# KiCad board demomatrix.kicad_pcb (continued)
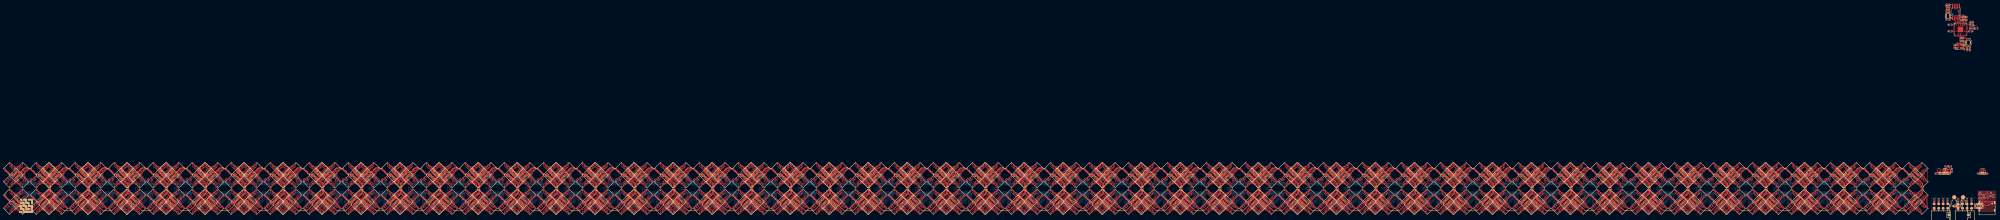
[diagram p0: board, top side]
## Routing (per net, layer and track width the routed paths; a pad name or vN(x,y) marks a point on that pad's centre or on a via; arc(x,y) is an arc through that point) (continued)
power_vbus-VCC: length 10.6
  Top w0.2: USB1.2 29.31,4.92 29.71,4.52 29.71,4.37 ; 33.71,4.37 33.71,4.52 34.11,4.92 USB1.11
  Top w0.5: USB1.2 29.31,6.77 28.6,7.48 F1.1 ; 29.71,4.37 30.71,3.37 32.71,3.37 33.71,4.37
rgbs[1]-anodes-anode-0: length 9.3
  Top w0.2: LED2.4 -1077.06,26.21 -1077.06,25.22 -1078.54,23.74 -1078.79,23.74 -1079.37,24.32 -1080.01,24.32 -1080.59,23.74 -1080.84,23.74 -1082.33,25.22 -1082.33,26.2 LED1.3
rgbs[1]-anodes-anode-1: length 12.6
  Top w0.2: LED2.2 -1076.21,27.06 -1076.21,25.49 -1078.37,23.34 -1078.95,23.34 -1079.53,23.92 -1079.84,23.92 -1080.43,23.34 -1081.01,23.34 -1083.17,25.5 -1083.17,27.06 LED1.1
rgbs[1]-anodes-anode-2: length 4
  Top w0.2: LED1.5 -1081.47,25.57 -1080.27,25.57 -1079.82,25.12 -1079.56,25.12 -1079.12,25.56 -1078.1,25.56 LED2.6
rgbs[1]-anodes-anode-3: length 1.7
  Top w0.2: LED1.7 -1080.42,24.72 -1078.96,24.72 LED2.8
rgbs[1]-anodes-anode-4: length 9.3
  Top w0.2: LED5.3 -1067.33,26.2 -1067.33,25.22 -1065.84,23.74 -1065.59,23.74 -1065.01,24.32 -1064.37,24.32 -1063.79,23.74 -1063.54,23.74 -1062.06,25.22 -1062.06,26.21 LED6.4
rgbs[1]-anodes-anode-5: length 12.6
  Top w0.2: LED6.2 -1061.21,27.06 -1061.21,25.49 -1063.37,23.34 -1063.95,23.34 -1064.53,23.92 -1064.84,23.92 -1065.43,23.34 -1066.01,23.34 -1068.17,25.5 -1068.17,27.06 LED5.1
rgbs[1]-anodes-anode-6: length 4
  Top w0.2: LED5.5 -1066.47,25.57 -1065.27,25.57 -1064.82,25.12 -1064.56,25.12 -1064.12,25.56 -1063.1,25.56 LED6.6
rgbs[1]-anodes-anode-7: length 1.7
  Top w0.2: LED5.7 -1065.42,24.72 -1063.96,24.72 LED6.8
rgbs[1]-anodes-anode-8: length 9.3
  Top w0.2: LED9.3 -1082.33,11.2 -1082.33,10.22 -1080.84,8.74 -1080.59,8.74 -1080.01,9.32 -1079.37,9.32 -1078.79,8.74 -1078.54,8.74 -1077.06,10.22 -1077.06,11.21 LED10.4
rgbs[1]-anodes-anode-9: length 12.6
  Top w0.2: LED10.2 -1076.21,12.06 -1076.21,10.49 -1078.37,8.34 -1078.95,8.34 -1079.53,8.92 -1079.84,8.92 -1080.43,8.34 -1081.01,8.34 -1083.17,10.5 -1083.17,12.06 LED9.1
rgbs[1]-anodes-anode-10: length 4
  Top w0.2: LED9.5 -1081.47,10.57 -1080.27,10.57 -1079.82,10.12 -1079.56,10.12 -1079.12,10.56 -1078.1,10.56 LED10.6
rgbs[1]-anodes-anode-11: length 1.7
  Top w0.2: LED10.8 -1078.96,9.72 -1080.42,9.72 LED9.7
rgbs[1]-anodes-anode-12: length 9.3
  Top w0.2: LED14.4 -1062.06,11.21 -1062.06,10.22 -1063.54,8.74 -1063.79,8.74 -1064.37,9.32 -1065.01,9.32 -1065.59,8.74 -1065.84,8.74 -1067.33,10.22 -1067.33,11.2 LED13.3
rgbs[1]-anodes-anode-13: length 12.6
  Top w0.2: LED13.1 -1068.17,12.06 -1068.17,10.5 -1066.01,8.34 -1065.43,8.34 -1064.84,8.92 -1064.53,8.92 -1063.95,8.34 -1063.37,8.34 -1061.21,10.49 -1061.21,12.06 LED14.2
rgbs[1]-anodes-anode-14: length 4
  Top w0.2: LED13.5 -1066.47,10.57 -1065.27,10.57 -1064.82,10.12 -1064.56,10.12 -1064.12,10.56 -1063.1,10.56 LED14.6
rgbs[1]-anodes-anode-15: length 1.7
  Top w0.2: LED14.8 -1063.96,9.72 -1065.42,9.72 LED13.7
rgbs[1]-anodes-anode-16: length 9.3
  Top w0.2: LED162.4 -1055.06,26.21 -1055.06,25.22 -1056.54,23.74 -1056.79,23.74 -1057.37,24.32 -1058.01,24.32 -1058.59,23.74 -1058.84,23.74 -1060.33,25.22 -1060.33,26.2 LED161.3
rgbs[1]-anodes-anode-17: length 12.6
  Top w0.2: LED161.1 -1061.17,27.06 -1061.17,25.5 -1059.01,23.34 -1058.43,23.34 -1057.84,23.92 -1057.53,23.92 -1056.95,23.34 -1056.37,23.34 -1054.21,25.49 -1054.21,27.06 LED162.2
rgbs[1]-anodes-anode-18: length 4
  Top w0.2: LED161.5 -1059.47,25.57 -1058.27,25.57 -1057.82,25.12 -1057.56,25.12 -1057.12,25.56 -1056.1,25.56 LED162.6
rgbs[1]-anodes-anode-19: length 1.7
  Top w0.2: LED162.8 -1056.96,24.72 -1058.42,24.72 LED161.7
rgbs[1]-anodes-anode-20: length 9.3
  Top w0.2: LED166.4 -1040.06,26.21 -1040.06,25.22 -1041.54,23.74 -1041.79,23.74 -1042.37,24.32 -1043.01,24.32 -1043.59,23.74 -1043.84,23.74 -1045.33,25.22 -1045.33,26.2 LED165.3
rgbs[1]-anodes-anode-21: length 12.6
  Top w0.2: LED166.2 -1039.21,27.06 -1039.21,25.49 -1041.37,23.34 -1041.95,23.34 -1042.53,23.92 -1042.84,23.92 -1043.43,23.34 -1044.01,23.34 -1046.17,25.5 -1046.17,27.06 LED165.1
rgbs[1]-anodes-anode-22: length 4
  Top w0.2: LED166.6 -1041.1,25.56 -1042.12,25.56 -1042.56,25.12 -1042.82,25.12 -1043.27,25.57 -1044.47,25.57 LED165.5
rgbs[1]-anodes-anode-23: length 1.7
  Top w0.2: LED166.8 -1041.96,24.72 -1043.42,24.72 LED165.7
rgbs[1]-anodes-anode-24: length 9.3
  Top w0.2: LED169.3 -1060.33,11.2 -1060.33,10.22 -1058.84,8.74 -1058.59,8.74 -1058.01,9.32 -1057.37,9.32 -1056.79,8.74 -1056.54,8.74 -1055.06,10.22 -1055.06,11.21 LED170.4
rgbs[1]-anodes-anode-25: length 12.6
  Top w0.2: LED170.2 -1054.21,12.06 -1054.21,10.49 -1056.37,8.34 -1056.95,8.34 -1057.53,8.92 -1057.84,8.92 -1058.43,8.34 -1059.01,8.34 -1061.17,10.5 -1061.17,12.06 LED169.1
rgbs[1]-anodes-anode-26: length 4
  Top w0.2: LED170.6 -1056.1,10.56 -1057.12,10.56 -1057.56,10.12 -1057.82,10.12 -1058.27,10.57 -1059.47,10.57 LED169.5
rgbs[1]-anodes-anode-27: length 1.7
  Top w0.2: LED170.8 -1056.96,9.72 -1058.42,9.72 LED169.7
rgbs[1]-anodes-anode-28: length 9.3
  Top w0.2: LED173.3 -1045.33,11.2 -1045.33,10.22 -1043.84,8.74 -1043.59,8.74 -1043.01,9.32 -1042.37,9.32 -1041.79,8.74 -1041.54,8.74 -1040.06,10.22 -1040.06,11.21 LED174.4
rgbs[1]-anodes-anode-29: length 12.6
  Top w0.2: LED173.1 -1046.17,12.06 -1046.17,10.5 -1044.01,8.34 -1043.43,8.34 -1042.84,8.92 -1042.53,8.92 -1041.95,8.34 -1041.37,8.34 -1039.21,10.49 -1039.21,12.06 LED174.2
rgbs[1]-anodes-anode-30: length 4
  Top w0.2: LED174.6 -1041.1,10.56 -1042.12,10.56 -1042.56,10.12 -1042.82,10.12 -1043.27,10.57 -1044.47,10.57 LED173.5
rgbs[1]-anodes-anode-31: length 1.7
  Top w0.2: LED174.8 -1041.96,9.72 -1043.42,9.72 LED173.7
rgbs[1]-anodes-anode-32: length 9.3
  Top w0.2: LED178.4 -1033.06,26.21 -1033.06,25.22 -1034.54,23.74 -1034.79,23.74 -1035.37,24.32 -1036.01,24.32 -1036.59,23.74 -1036.84,23.74 -1038.33,25.22 -1038.33,26.2 LED177.3
rgbs[1]-anodes-anode-33: length 12.6
  Top w0.2: LED177.1 -1039.17,27.06 -1039.17,25.5 -1037.01,23.34 -1036.43,23.34 -1035.84,23.92 -1035.53,23.92 -1034.95,23.34 -1034.37,23.34 -1032.21,25.49 -1032.21,27.06 LED178.2
rgbs[1]-anodes-anode-34: length 4
  Top w0.2: LED178.6 -1034.1,25.56 -1035.12,25.56 -1035.56,25.12 -1035.82,25.12 -1036.27,25.57 -1037.47,25.57 LED177.5
rgbs[1]-anodes-anode-35: length 1.7
  Top w0.2: LED177.7 -1036.42,24.72 -1034.96,24.72 LED178.8
rgbs[1]-anodes-anode-36: length 9.3
  Top w0.2: LED182.4 -1018.06,26.21 -1018.06,25.22 -1019.54,23.74 -1019.79,23.74 -1020.37,24.32 -1021.01,24.32 -1021.59,23.74 -1021.84,23.74 -1023.33,25.22 -1023.33,26.2 LED181.3
rgbs[1]-anodes-anode-37: length 12.6
  Top w0.2: LED181.1 -1024.17,27.06 -1024.17,25.5 -1022.01,23.34 -1021.43,23.34 -1020.84,23.92 -1020.53,23.92 -1019.95,23.34 -1019.37,23.34 -1017.21,25.49 -1017.21,27.06 LED182.2
rgbs[1]-anodes-anode-38: length 4
  Top w0.2: LED181.5 -1022.47,25.57 -1021.27,25.57 -1020.82,25.12 -1020.56,25.12 -1020.12,25.56 -1019.1,25.56 LED182.6
rgbs[1]-anodes-anode-39: length 1.7
  Top w0.2: LED181.7 -1021.42,24.72 -1019.96,24.72 LED182.8
rgbs[1]-anodes-anode-40: length 9.3
  Top w0.2: LED186.4 -1033.06,11.21 -1033.06,10.22 -1034.54,8.74 -1034.79,8.74 -1035.37,9.32 -1036.01,9.32 -1036.59,8.74 -1036.84,8.74 -1038.33,10.22 -1038.33,11.2 LED185.3
rgbs[1]-anodes-anode-41: length 12.6
  Top w0.2: LED185.1 -1039.17,12.06 -1039.17,10.5 -1037.01,8.34 -1036.43,8.34 -1035.84,8.92 -1035.53,8.92 -1034.95,8.34 -1034.37,8.34 -1032.21,10.49 -1032.21,12.06 LED186.2
rgbs[1]-anodes-anode-42: length 4
  Top w0.2: LED186.6 -1034.1,10.56 -1035.12,10.56 -1035.56,10.12 -1035.82,10.12 -1036.27,10.57 -1037.47,10.57 LED185.5
rgbs[1]-anodes-anode-43: length 1.7
  Top w0.2: LED186.8 -1034.96,9.72 -1036.42,9.72 LED185.7
rgbs[1]-anodes-anode-44: length 9.3
  Top w0.2: LED189.3 -1023.33,11.2 -1023.33,10.22 -1021.84,8.74 -1021.59,8.74 -1021.01,9.32 -1020.37,9.32 -1019.79,8.74 -1019.54,8.74 -1018.06,10.22 -1018.06,11.21 LED190.4
rgbs[1]-anodes-anode-45: length 12.6
  Top w0.2: LED190.2 -1017.21,12.06 -1017.21,10.49 -1019.37,8.34 -1019.95,8.34 -1020.53,8.92 -1020.84,8.92 -1021.43,8.34 -1022.01,8.34 -1024.17,10.5 -1024.17,12.06 LED189.1
rgbs[1]-anodes-anode-46: length 4
  Top w0.2: LED190.6 -1019.1,10.56 -1020.12,10.56 -1020.56,10.12 -1020.82,10.12 -1021.27,10.57 -1022.47,10.57 LED189.5
rgbs[1]-anodes-anode-47: length 1.7
  Top w0.2: LED190.8 -1019.96,9.72 -1021.42,9.72 LED189.7
rgbs[1]-anodes-anode-48: length 9.3
  Top w0.2: LED193.3 -1016.33,26.2 -1016.33,25.22 -1014.84,23.74 -1014.59,23.74 -1014.01,24.32 -1013.37,24.32 -1012.79,23.74 -1012.54,23.74 -1011.06,25.22 -1011.06,26.21 LED194.4
rgbs[1]-anodes-anode-49: length 12.6
  Top w0.2: LED194.2 -1010.21,27.06 -1010.21,25.49 -1012.37,23.34 -1012.95,23.34 -1013.53,23.92 -1013.84,23.92 -1014.43,23.34 -1015.01,23.34 -1017.17,25.5 -1017.17,27.06 LED193.1
rgbs[1]-anodes-anode-50: length 4
  Top w0.2: LED194.6 -1012.1,25.56 -1013.12,25.56 -1013.56,25.12 -1013.82,25.12 -1014.27,25.57 -1015.47,25.57 LED193.5
rgbs[1]-anodes-anode-51: length 1.7
  Top w0.2: LED193.7 -1014.42,24.72 -1012.96,24.72 LED194.8
rgbs[1]-anodes-anode-52: length 9.3
  Top w0.2: LED198.4 -996.06,26.21 -996.06,25.22 -997.54,23.74 -997.79,23.74 -998.37,24.32 -999.01,24.32 -999.59,23.74 -999.84,23.74 -1001.33,25.22 -1001.33,26.2 LED197.3
rgbs[1]-anodes-anode-53: length 12.6
  Top w0.2: LED198.2 -995.21,27.06 -995.21,25.49 -997.37,23.34 -997.95,23.34 -998.53,23.92 -998.84,23.92 -999.43,23.34 -1000.01,23.34 -1002.17,25.5 -1002.17,27.06 LED197.1
rgbs[1]-anodes-anode-54: length 4
  Top w0.2: LED198.6 -997.1,25.56 -998.12,25.56 -998.56,25.12 -998.82,25.12 -999.27,25.57 -1000.47,25.57 LED197.5
rgbs[1]-anodes-anode-55: length 1.7
  Top w0.2: LED198.8 -997.96,24.72 -999.42,24.72 LED197.7
rgbs[1]-anodes-anode-56: length 9.3
  Top w0.2: LED201.3 -1016.33,11.2 -1016.33,10.22 -1014.84,8.74 -1014.59,8.74 -1014.01,9.32 -1013.37,9.32 -1012.79,8.74 -1012.54,8.74 -1011.06,10.22 -1011.06,11.21 LED202.4
rgbs[1]-anodes-anode-57: length 12.6
  Top w0.2: LED201.1 -1017.17,12.06 -1017.17,10.5 -1015.01,8.34 -1014.43,8.34 -1013.84,8.92 -1013.53,8.92 -1012.95,8.34 -1012.37,8.34 -1010.21,10.49 -1010.21,12.06 LED202.2
rgbs[1]-anodes-anode-58: length 4
  Top w0.2: LED202.6 -1012.1,10.56 -1013.12,10.56 -1013.56,10.12 -1013.82,10.12 -1014.27,10.57 -1015.47,10.57 LED201.5
rgbs[1]-anodes-anode-59: length 1.7
  Top w0.2: LED202.8 -1012.96,9.72 -1014.42,9.72 LED201.7
rgbs[1]-anodes-anode-60: length 9.3
  Top w0.2: LED205.3 -1001.33,11.2 -1001.33,10.22 -999.84,8.74 -999.59,8.74 -999.01,9.32 -998.37,9.32 -997.79,8.74 -997.54,8.74 -996.06,10.22 -996.06,11.21 LED206.4
rgbs[1]-anodes-anode-61: length 12.6
  Top w0.2: LED206.2 -995.21,12.06 -995.21,10.49 -997.37,8.34 -997.95,8.34 -998.53,8.92 -998.84,8.92 -999.43,8.34 -1000.01,8.34 -1002.17,10.5 -1002.17,12.06 LED205.1
rgbs[1]-anodes-anode-62: length 4
  Top w0.2: LED206.6 -997.1,10.56 -998.12,10.56 -998.56,10.12 -998.82,10.12 -999.27,10.57 -1000.47,10.57 LED205.5
rgbs[1]-anodes-anode-63: length 1.7
  Top w0.2: LED205.7 -999.42,9.72 -997.96,9.72 LED206.8
rgbs[1]-anodes-anode-64: length 9.3
  Top w0.2: LED210.4 -989.06,26.21 -989.06,25.22 -990.54,23.74 -990.79,23.74 -991.37,24.32 -992.01,24.32 -992.59,23.74 -992.84,23.74 -994.33,25.22 -994.33,26.2 LED209.3
rgbs[1]-anodes-anode-65: length 12.6
  Top w0.2: LED209.1 -995.17,27.06 -995.17,25.5 -993.01,23.34 -992.43,23.34 -991.84,23.92 -991.53,23.92 -990.95,23.34 -990.37,23.34 -988.21,25.49 -988.21,27.06 LED210.2
rgbs[1]-anodes-anode-66: length 4
  Top w0.2: LED210.6 -990.1,25.56 -991.12,25.56 -991.56,25.12 -991.82,25.12 -992.27,25.57 -993.47,25.57 LED209.5
rgbs[1]-anodes-anode-67: length 1.7
  Top w0.2: LED209.7 -992.42,24.72 -990.96,24.72 LED210.8
rgbs[1]-anodes-anode-68: length 9.3
  Top w0.2: LED213.3 -979.33,26.2 -979.33,25.22 -977.84,23.74 -977.59,23.74 -977.01,24.32 -976.37,24.32 -975.79,23.74 -975.54,23.74 -974.06,25.22 -974.06,26.21 LED214.4
rgbs[1]-anodes-anode-69: length 12.6
  Top w0.2: LED214.2 -973.21,27.06 -973.21,25.49 -975.37,23.34 -975.95,23.34 -976.53,23.92 -976.84,23.92 -977.43,23.34 -978.01,23.34 -980.17,25.5 -980.17,27.06 LED213.1
rgbs[1]-anodes-anode-70: length 4
  Top w0.2: LED213.5 -978.47,25.57 -977.27,25.57 -976.82,25.12 -976.56,25.12 -976.12,25.56 -975.1,25.56 LED214.6
rgbs[1]-anodes-anode-71: length 1.7
  Top w0.2: LED213.7 -977.42,24.72 -975.96,24.72 LED214.8
rgbs[1]-anodes-anode-72: length 9.3
  Top w0.2: LED217.3 -994.33,11.2 -994.33,10.22 -992.84,8.74 -992.59,8.74 -992.01,9.32 -991.37,9.32 -990.79,8.74 -990.54,8.74 -989.06,10.22 -989.06,11.21 LED218.4
rgbs[1]-anodes-anode-73: length 12.6
  Top w0.2: LED217.1 -995.17,12.06 -995.17,10.5 -993.01,8.34 -992.43,8.34 -991.84,8.92 -991.53,8.92 -990.95,8.34 -990.37,8.34 -988.21,10.49 -988.21,12.06 LED218.2
rgbs[1]-anodes-anode-74: length 4
  Top w0.2: LED218.6 -990.1,10.56 -991.12,10.56 -991.56,10.12 -991.82,10.12 -992.27,10.57 -993.47,10.57 LED217.5
rgbs[1]-anodes-anode-75: length 1.7
  Top w0.2: LED217.7 -992.42,9.72 -990.96,9.72 LED218.8
rgbs[1]-anodes-anode-76: length 9.3
  Top w0.2: LED221.3 -979.33,11.2 -979.33,10.22 -977.84,8.74 -977.59,8.74 -977.01,9.32 -976.37,9.32 -975.79,8.74 -975.54,8.74 -974.06,10.22 -974.06,11.21 LED222.4
rgbs[1]-anodes-anode-77: length 12.6
  Top w0.2: LED222.2 -973.21,12.06 -973.21,10.49 -975.37,8.34 -975.95,8.34 -976.53,8.92 -976.84,8.92 -977.43,8.34 -978.01,8.34 -980.17,10.5 -980.17,12.06 LED221.1
rgbs[1]-anodes-anode-78: length 4
  Top w0.2: LED221.5 -978.47,10.57 -977.27,10.57 -976.82,10.12 -976.56,10.12 -976.12,10.56 -975.1,10.56 LED222.6
rgbs[1]-anodes-anode-79: length 1.7
  Top w0.2: LED221.7 -977.42,9.72 -975.96,9.72 LED222.8
rgbs[1]-anodes-anode-80: length 9.3
  Top w0.2: LED225.3 -972.33,26.2 -972.33,25.22 -970.84,23.74 -970.59,23.74 -970.01,24.32 -969.37,24.32 -968.79,23.74 -968.54,23.74 -967.06,25.22 -967.06,26.21 LED226.4
rgbs[1]-anodes-anode-81: length 12.6
  Top w0.2: LED226.2 -966.21,27.06 -966.21,25.49 -968.37,23.34 -968.95,23.34 -969.53,23.92 -969.84,23.92 -970.43,23.34 -971.01,23.34 -973.17,25.5 -973.17,27.06 LED225.1
rgbs[1]-anodes-anode-82: length 4
  Top w0.2: LED225.5 -971.47,25.57 -970.27,25.57 -969.82,25.12 -969.56,25.12 -969.12,25.56 -968.1,25.56 LED226.6
rgbs[1]-anodes-anode-83: length 1.7
  Top w0.2: LED225.7 -970.42,24.72 -968.96,24.72 LED226.8
rgbs[1]-anodes-anode-84: length 9.3
  Top w0.2: LED230.4 -952.06,26.21 -952.06,25.22 -953.54,23.74 -953.79,23.74 -954.37,24.32 -955.01,24.32 -955.59,23.74 -955.84,23.74 -957.33,25.22 -957.33,26.2 LED229.3
rgbs[1]-anodes-anode-85: length 12.6
  Top w0.2: LED229.1 -958.17,27.06 -958.17,25.5 -956.01,23.34 -955.43,23.34 -954.84,23.92 -954.53,23.92 -953.95,23.34 -953.37,23.34 -951.21,25.49 -951.21,27.06 LED230.2
rgbs[1]-anodes-anode-86: length 4
  Top w0.2: LED230.6 -953.1,25.56 -954.12,25.56 -954.56,25.12 -954.82,25.12 -955.27,25.57 -956.47,25.57 LED229.5
rgbs[1]-anodes-anode-87: length 1.7
  Top w0.2: LED229.7 -955.42,24.72 -953.96,24.72 LED230.8
rgbs[1]-anodes-anode-88: length 9.3
  Top w0.2: LED234.4 -967.06,11.21 -967.06,10.22 -968.54,8.74 -968.79,8.74 -969.37,9.32 -970.01,9.32 -970.59,8.74 -970.84,8.74 -972.33,10.22 -972.33,11.2 LED233.3
rgbs[1]-anodes-anode-89: length 12.6
  Top w0.2: LED234.2 -966.21,12.06 -966.21,10.49 -968.37,8.34 -968.95,8.34 -969.53,8.92 -969.84,8.92 -970.43,8.34 -971.01,8.34 -973.17,10.5 -973.17,12.06 LED233.1
rgbs[1]-anodes-anode-90: length 4
  Top w0.2: LED234.6 -968.1,10.56 -969.12,10.56 -969.56,10.12 -969.82,10.12 -970.27,10.57 -971.47,10.57 LED233.5
rgbs[1]-anodes-anode-91: length 1.7
  Top w0.2: LED234.8 -968.96,9.72 -970.42,9.72 LED233.7
rgbs[1]-anodes-anode-92: length 9.3
  Top w0.2: LED238.4 -952.06,11.21 -952.06,10.22 -953.54,8.74 -953.79,8.74 -954.37,9.32 -955.01,9.32 -955.59,8.74 -955.84,8.74 -957.33,10.22 -957.33,11.2 LED237.3
rgbs[1]-anodes-anode-93: length 12.6
  Top w0.2: LED238.2 -951.21,12.06 -951.21,10.49 -953.37,8.34 -953.95,8.34 -954.53,8.92 -954.84,8.92 -955.43,8.34 -956.01,8.34 -958.17,10.5 -958.17,12.06 LED237.1
rgbs[1]-anodes-anode-94: length 4
  Top w0.2: LED237.5 -956.47,10.57 -955.27,10.57 -954.82,10.12 -954.56,10.12 -954.12,10.56 -953.1,10.56 LED238.6
rgbs[1]-anodes-anode-95: length 1.7
  Top w0.2: LED238.8 -953.96,9.72 -955.42,9.72 LED237.7
rgbs[1]-anodes-anode-96: length 9.3
  Top w0.2: LED242.4 -945.06,26.21 -945.06,25.22 -946.54,23.74 -946.79,23.74 -947.37,24.32 -948.01,24.32 -948.59,23.74 -948.84,23.74 -950.33,25.22 -950.33,26.2 LED241.3
rgbs[1]-anodes-anode-97: length 12.6
  Top w0.2: LED241.1 -951.17,27.06 -951.17,25.5 -949.01,23.34 -948.43,23.34 -947.84,23.92 -947.53,23.92 -946.95,23.34 -946.37,23.34 -944.21,25.49 -944.21,27.06 LED242.2
rgbs[1]-anodes-anode-98: length 4
  Top w0.2: LED242.6 -946.1,25.56 -947.12,25.56 -947.56,25.12 -947.82,25.12 -948.27,25.57 -949.47,25.57 LED241.5
rgbs[1]-anodes-anode-99: length 1.7
  Top w0.2: LED242.8 -946.96,24.72 -948.42,24.72 LED241.7
rgbs[1]-anodes-anode-100: length 9.3
  Top w0.2: LED245.3 -935.33,26.2 -935.33,25.22 -933.84,23.74 -933.59,23.74 -933.01,24.32 -932.37,24.32 -931.79,23.74 -931.54,23.74 -930.06,25.22 -930.06,26.21 LED246.4
rgbs[1]-anodes-anode-101: length 12.6
  Top w0.2: LED245.1 -936.17,27.06 -936.17,25.5 -934.01,23.34 -933.43,23.34 -932.84,23.92 -932.53,23.92 -931.95,23.34 -931.37,23.34 -929.21,25.49 -929.21,27.06 LED246.2
rgbs[1]-anodes-anode-102: length 4
  Top w0.2: LED245.5 -934.47,25.57 -933.27,25.57 -932.82,25.12 -932.56,25.12 -932.12,25.56 -931.1,25.56 LED246.6
rgbs[1]-anodes-anode-103: length 1.7
  Top w0.2: LED246.8 -931.96,24.72 -933.42,24.72 LED245.7
rgbs[1]-anodes-anode-104: length 9.3
  Top w0.2: LED250.4 -945.06,11.21 -945.06,10.22 -946.54,8.74 -946.79,8.74 -947.37,9.32 -948.01,9.32 -948.59,8.74 -948.84,8.74 -950.33,10.22 -950.33,11.2 LED249.3
rgbs[1]-anodes-anode-105: length 12.6
  Top w0.2: LED250.2 -944.21,12.06 -944.21,10.49 -946.37,8.34 -946.95,8.34 -947.53,8.92 -947.84,8.92 -948.43,8.34 -949.01,8.34 -951.17,10.5 -951.17,12.06 LED249.1
rgbs[1]-anodes-anode-106: length 4
  Top w0.2: LED250.6 -946.1,10.56 -947.12,10.56 -947.56,10.12 -947.82,10.12 -948.27,10.57 -949.47,10.57 LED249.5
rgbs[1]-anodes-anode-107: length 1.7
  Top w0.2: LED249.7 -948.42,9.72 -946.96,9.72 LED250.8
rgbs[1]-anodes-anode-108: length 9.3
  Top w0.2: LED253.3 -935.33,11.2 -935.33,10.22 -933.84,8.74 -933.59,8.74 -933.01,9.32 -932.37,9.32 -931.79,8.74 -931.54,8.74 -930.06,10.22 -930.06,11.21 LED254.4
rgbs[1]-anodes-anode-109: length 12.6
  Top w0.2: LED253.1 -936.17,12.06 -936.17,10.5 -934.01,8.34 -933.43,8.34 -932.84,8.92 -932.53,8.92 -931.95,8.34 -931.37,8.34 -929.21,10.49 -929.21,12.06 LED254.2
rgbs[1]-anodes-anode-110: length 4
  Top w0.2: LED253.5 -934.47,10.57 -933.27,10.57 -932.82,10.12 -932.56,10.12 -932.12,10.56 -931.1,10.56 LED254.6
rgbs[1]-anodes-anode-111: length 1.7
  Top w0.2: LED254.8 -931.96,9.72 -933.42,9.72 LED253.7
rgbs[1]-anodes-anode-112: length 9.3
  Top w0.2: LED258.4 -923.06,26.21 -923.06,25.22 -924.54,23.74 -924.79,23.74 -925.37,24.32 -926.01,24.32 -926.59,23.74 -926.84,23.74 -928.33,25.22 -928.33,26.2 LED257.3
rgbs[1]-anodes-anode-113: length 12.6
  Top w0.2: LED257.1 -929.17,27.06 -929.17,25.5 -927.01,23.34 -926.43,23.34 -925.84,23.92 -925.53,23.92 -924.95,23.34 -924.37,23.34 -922.21,25.49 -922.21,27.06 LED258.2
rgbs[1]-anodes-anode-114: length 4
  Top w0.2: LED257.5 -927.47,25.57 -926.27,25.57 -925.82,25.12 -925.56,25.12 -925.12,25.56 -924.1,25.56 LED258.6
rgbs[1]-anodes-anode-115: length 1.7
  Top w0.2: LED257.7 -926.42,24.72 -924.96,24.72 LED258.8
rgbs[1]-anodes-anode-116: length 9.3
  Top w0.2: LED262.4 -908.06,26.21 -908.06,25.22 -909.54,23.74 -909.79,23.74 -910.37,24.32 -911.01,24.32 -911.59,23.74 -911.84,23.74 -913.33,25.22 -913.33,26.2 LED261.3
rgbs[1]-anodes-anode-117: length 12.6
  Top w0.2: LED262.2 -907.21,27.06 -907.21,25.49 -909.37,23.34 -909.95,23.34 -910.53,23.92 -910.84,23.92 -911.43,23.34 -912.01,23.34 -914.17,25.5 -914.17,27.06 LED261.1
rgbs[1]-anodes-anode-118: length 4
  Top w0.2: LED262.6 -909.1,25.56 -910.12,25.56 -910.56,25.12 -910.82,25.12 -911.27,25.57 -912.47,25.57 LED261.5
rgbs[1]-anodes-anode-119: length 1.7
  Top w0.2: LED261.7 -911.42,24.72 -909.96,24.72 LED262.8
rgbs[1]-anodes-anode-120: length 9.3
  Top w0.2: LED265.3 -928.33,11.2 -928.33,10.22 -926.84,8.74 -926.59,8.74 -926.01,9.32 -925.37,9.32 -924.79,8.74 -924.54,8.74 -923.06,10.22 -923.06,11.21 LED266.4
rgbs[1]-anodes-anode-121: length 12.6
  Top w0.2: LED266.2 -922.21,12.06 -922.21,10.49 -924.37,8.34 -924.95,8.34 -925.53,8.92 -925.84,8.92 -926.43,8.34 -927.01,8.34 -929.17,10.5 -929.17,12.06 LED265.1
rgbs[1]-anodes-anode-122: length 4
  Top w0.2: LED266.6 -924.1,10.56 -925.12,10.56 -925.56,10.12 -925.82,10.12 -926.27,10.57 -927.47,10.57 LED265.5
rgbs[1]-anodes-anode-123: length 1.7
  Top w0.2: LED265.7 -926.42,9.72 -924.96,9.72 LED266.8
rgbs[1]-anodes-anode-124: length 9.3
  Top w0.2: LED269.3 -913.33,11.2 -913.33,10.22 -911.84,8.74 -911.59,8.74 -911.01,9.32 -910.37,9.32 -909.79,8.74 -909.54,8.74 -908.06,10.22 -908.06,11.21 LED270.4
rgbs[1]-anodes-anode-125: length 12.6
  Top w0.2: LED269.1 -914.17,12.06 -914.17,10.5 -912.01,8.34 -911.43,8.34 -910.84,8.92 -910.53,8.92 -909.95,8.34 -909.37,8.34 -907.21,10.49 -907.21,12.06 LED270.2
rgbs[1]-anodes-anode-126: length 4
  Top w0.2: LED269.5 -912.47,10.57 -911.27,10.57 -910.82,10.12 -910.56,10.12 -910.12,10.56 -909.1,10.56 LED270.6
rgbs[1]-anodes-anode-127: length 1.7
  Top w0.2: LED270.8 -909.96,9.72 -911.42,9.72 LED269.7
rgbs[1]-anodes-anode-128: length 9.3
  Top w0.2: LED273.3 -906.33,26.2 -906.33,25.22 -904.84,23.74 -904.59,23.74 -904.01,24.32 -903.37,24.32 -902.79,23.74 -902.54,23.74 -901.06,25.22 -901.06,26.21 LED274.4
rgbs[1]-anodes-anode-129: length 12.6
  Top w0.2: LED273.1 -907.17,27.06 -907.17,25.5 -905.01,23.34 -904.43,23.34 -903.84,23.92 -903.53,23.92 -902.95,23.34 -902.37,23.34 -900.21,25.49 -900.21,27.06 LED274.2
rgbs[1]-anodes-anode-130: length 4
  Top w0.2: LED273.5 -905.47,25.57 -904.27,25.57 -903.82,25.12 -903.56,25.12 -903.12,25.56 -902.1,25.56 LED274.6
rgbs[1]-anodes-anode-131: length 1.7
  Top w0.2: LED274.8 -902.96,24.72 -904.42,24.72 LED273.7
rgbs[1]-anodes-anode-132: length 9.3
  Top w0.2: LED278.4 -886.06,26.21 -886.06,25.22 -887.54,23.74 -887.79,23.74 -888.37,24.32 -889.01,24.32 -889.59,23.74 -889.84,23.74 -891.33,25.22 -891.33,26.2 LED277.3
rgbs[1]-anodes-anode-133: length 12.6
  Top w0.2: LED278.2 -885.21,27.06 -885.21,25.49 -887.37,23.34 -887.95,23.34 -888.53,23.92 -888.84,23.92 -889.43,23.34 -890.01,23.34 -892.17,25.5 -892.17,27.06 LED277.1
rgbs[1]-anodes-anode-134: length 4
  Top w0.2: LED278.6 -887.1,25.56 -888.12,25.56 -888.56,25.12 -888.82,25.12 -889.27,25.57 -890.47,25.57 LED277.5
rgbs[1]-anodes-anode-135: length 1.7
  Top w0.2: LED277.7 -889.42,24.72 -887.96,24.72 LED278.8
rgbs[1]-anodes-anode-136: length 9.3
  Top w0.2: LED281.3 -906.33,11.2 -906.33,10.22 -904.84,8.74 -904.59,8.74 -904.01,9.32 -903.37,9.32 -902.79,8.74 -902.54,8.74 -901.06,10.22 -901.06,11.21 LED282.4
rgbs[1]-anodes-anode-137: length 12.6
  Top w0.2: LED282.2 -900.21,12.06 -900.21,10.49 -902.37,8.34 -902.95,8.34 -903.53,8.92 -903.84,8.92 -904.43,8.34 -905.01,8.34 -907.17,10.5 -907.17,12.06 LED281.1
rgbs[1]-anodes-anode-138: length 4
  Top w0.2: LED281.5 -905.47,10.57 -904.27,10.57 -903.82,10.12 -903.56,10.12 -903.12,10.56 -902.1,10.56 LED282.6
rgbs[1]-anodes-anode-139: length 1.7
  Top w0.2: LED281.7 -904.42,9.72 -902.96,9.72 LED282.8
rgbs[1]-anodes-anode-140: length 9.3
  Top w0.2: LED285.3 -891.33,11.2 -891.33,10.22 -889.84,8.74 -889.59,8.74 -889.01,9.32 -888.37,9.32 -887.79,8.74 -887.54,8.74 -886.06,10.22 -886.06,11.21 LED286.4
rgbs[1]-anodes-anode-141: length 12.6
  Top w0.2: LED285.1 -892.17,12.06 -892.17,10.5 -890.01,8.34 -889.43,8.34 -888.84,8.92 -888.53,8.92 -887.95,8.34 -887.37,8.34 -885.21,10.49 -885.21,12.06 LED286.2
rgbs[1]-anodes-anode-142: length 4
  Top w0.2: LED286.6 -887.1,10.56 -888.12,10.56 -888.56,10.12 -888.82,10.12 -889.27,10.57 -890.47,10.57 LED285.5
rgbs[1]-anodes-anode-143: length 1.7
  Top w0.2: LED286.8 -887.96,9.72 -889.42,9.72 LED285.7
rgbs[1]-anodes-anode-144: length 9.3
  Top w0.2: LED290.4 -879.06,26.21 -879.06,25.22 -880.54,23.74 -880.79,23.74 -881.37,24.32 -882.01,24.32 -882.59,23.74 -882.84,23.74 -884.33,25.22 -884.33,26.2 LED289.3
rgbs[1]-anodes-anode-145: length 12.6
  Top w0.2: LED289.1 -885.17,27.06 -885.17,25.5 -883.01,23.34 -882.43,23.34 -881.84,23.92 -881.53,23.92 -880.95,23.34 -880.37,23.34 -878.21,25.49 -878.21,27.06 LED290.2
rgbs[1]-anodes-anode-146: length 4
  Top w0.2: LED289.5 -883.47,25.57 -882.27,25.57 -881.82,25.12 -881.56,25.12 -881.12,25.56 -880.1,25.56 LED290.6
rgbs[1]-anodes-anode-147: length 1.7
  Top w0.2: LED290.8 -880.96,24.72 -882.42,24.72 LED289.7
rgbs[1]-anodes-anode-148: length 9.3
  Top w0.2: LED293.3 -869.33,26.2 -869.33,25.22 -867.84,23.74 -867.59,23.74 -867.01,24.32 -866.37,24.32 -865.79,23.74 -865.54,23.74 -864.06,25.22 -864.06,26.21 LED294.4
rgbs[1]-anodes-anode-149: length 12.6
  Top w0.2: LED294.2 -863.21,27.06 -863.21,25.49 -865.37,23.34 -865.95,23.34 -866.53,23.92 -866.84,23.92 -867.43,23.34 -868.01,23.34 -870.17,25.5 -870.17,27.06 LED293.1